# KiCad board SlowLampLEDPanel.kicad_pcb (continued)
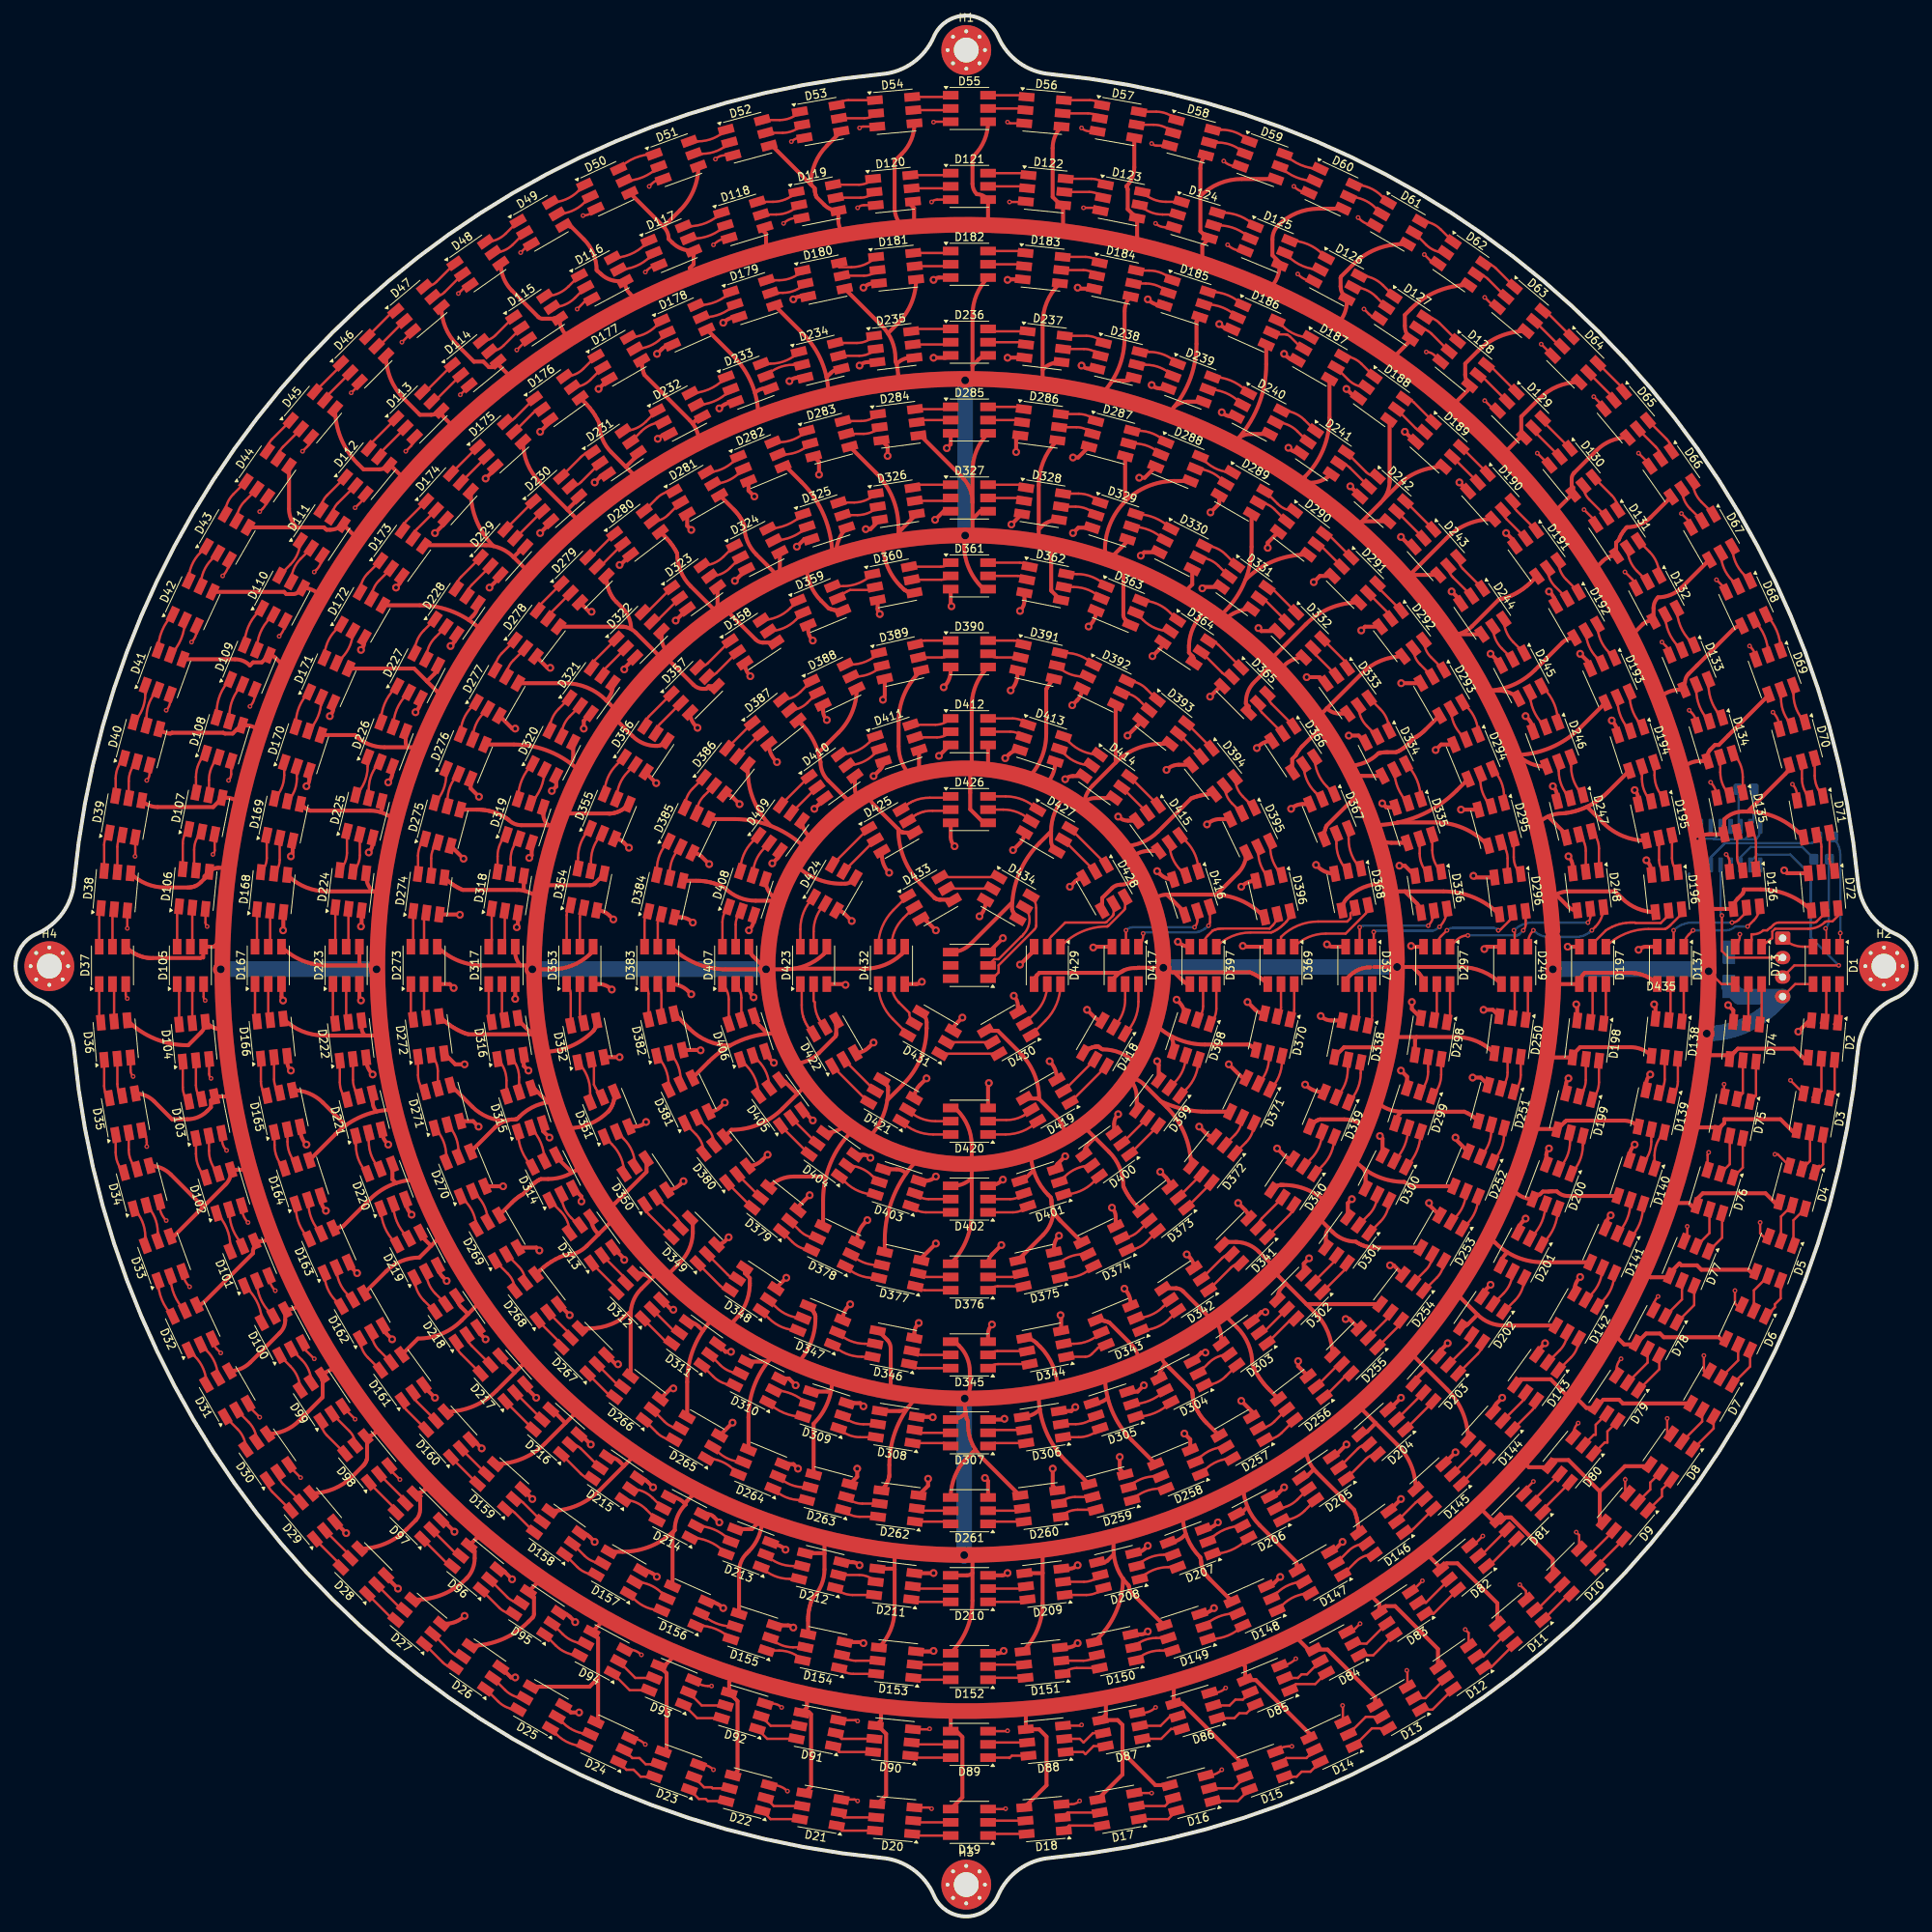
[diagram p0: board, top side]
## Routing (per net, layer and track width the routed paths; a pad name or vN(x,y) marks a point on that pad's centre or on a via; arc(x,y) is an arc through that point) (continued)
Net-(D299-DO): length 5
  Top w0.3: D299.6 arc(179.89,98.28) D300.1
Net-(D300-CO): length 4.8
  Top w0.3: D301.2 173.73,90.09 arc(174.53,91.29) D300.5
Net-(D300-DO): length 5.1
  Top w0.3: D301.1 175.18,89.17 arc(176.03,90.44) D300.6
Net-(D301-CO): length 4.7
  Top w0.3: D302.2 169.2,83.99 arc(169.47,84.4) D301.5
Net-(D301-DO): length 5
  Top w0.3: D302.1 170.56,82.94 arc(170.84,83.37) D301.6
Net-(D302-CO): length 5.7
  Top w0.3: 159.67,74.96 D303.2 arc(160.12,75.04) 160.52,75.31 D302.5 163.05,77.95 arc(162.65,77.84) 162.31,77.6
Net-(D302-DO): length 5
  Top w0.3: D303.1 163.44,76.37 arc(163.87,76.65) D302.6
Net-(D303-CO): length 4.8
  Top w0.3: D304.2 153.15,71.05 arc(154.35,71.85) D303.5
Net-(D303-DO): length 5.1
  Top w0.3: D303.6 155.35,69.34 arc(154.08,68.49) D304.1
Net-(D304-CO): length 4.8
  Top w0.3: D304.5 arc(145.58,66.22) D305.2
Net-(D304-DO): length 5
  Top w0.3: D304.6 arc(146.23,64.63) D305.1
Net-(D305-CO): length 4.8
  Top w0.3: D306.2 136.09,63.19 arc(137.5,63.47) D305.5
Net-(D305-DO): length 5.1
  Top w0.3: D306.1 136.46,61.51 arc(137.95,61.81) D305.6
Net-(D306-CO): length 4.7
  Top w0.3: D306.5 125.71,62.44 arc(125.24,62.35) D307.2
Net-(D306-DO): length 5
  Top w0.3: D306.6 125.76,60.76 arc(125.26,60.66) D307.1
Net-(D307-CO): length 4.7
  Top w0.3: D307.5 116.3,62.08 arc(115.82,62.17) D308.2
Net-(D307-DO): length 5
  Top w0.3: D308.1 119.11,60.76 arc(119.61,60.66) D307.6
Net-(D308-CO): length 4.8
  Top w0.3: D308.5 110.67,63.18 108.82,63.18 arc(107.39,63.46) D309.2
Net-(D308-DO): length 5.1
  Top w0.3: D308.6 108.41,61.51 arc(106.92,61.81) D309.1
Net-(D309-CO): length 4.8
  Top w0.3: D309.5 arc(99.65,67.07) D310.2
Net-(D309-DO): length 5
  Top w0.3: D309.6 arc(98.64,64.63) D310.1
Net-(D310-CO): length 4.8
  Top w0.3: D311.2 90.45,70.79 arc(91.65,69.99) D310.5
Net-(D310-DO): length 5.1
  Top w0.3: D311.1 89.53,69.34 arc(90.79,68.49) D310.6
Net-(D311-CO): length 4.7
  Top w0.3: D312.2 84.35,75.31 arc(84.75,75.04) D311.5
Net-(D311-DO): length 5
  Top w0.3: D312.1 83.3,73.96 arc(83.73,73.67) D311.6
Net-(D312-CO): length 4.7
  Top w0.3: D313.2 77.95,82.23 arc(78.22,81.82) D312.5
Net-(D312-DO): length 5
  Top w0.3: D313.1 76.73,81.08 arc(77.01,80.65) D312.6
Net-(D313-CO): length 4.9
  Top w0.3: D313.5 72.38,88.76 72.19,88.81 71.32,89.68 arc(70.39,91.06) D314.2
Net-(D313-DO): length 5.1
  Top w0.3: D314.1 69.97,90.51 arc(70.81,89.25) D313.6
Net-(D314-CO): length 4.8
  Top w0.3: D314.5 arc(67.43,99.29) D315.2
Net-(D314-DO): length 5
  Top w0.3: D314.6 arc(64.99,98.28) D315.1
Net-(D315-CO): length 4.8
  Top w0.3: D315.5 64.63,107.71 arc(64.35,109.13) D316.2
Net-(D315-DO): length 5.1
  Top w0.3: D315.6 63.01,107.3 arc(62.72,108.79) D316.1
Net-(D316-CO): length 4.7
  Top w0.3: D317.2 62.44,115.94 arc(62.53,115.47) D316.5
Net-(D316-DO): length 5
  Top w0.3: D317.1 60.74,115.73 arc(60.84,115.22) D316.6
Net-(D317-CO): length 4.7
  Top w0.3: D318.2 62.8,125.36 arc(62.71,124.88) D317.5
Net-(D317-DO): length 5
  Top w0.3: D318.1 61.12,125.41 arc(61.02,124.9) D317.6
Net-(D318-CO): length 4.8
  Top w0.3: D318.5 63.55,135.73 arc(63.83,137.14) D319.2
Net-(D318-DO): length 5.1
  Top w0.3: D318.6 61.87,136.1 arc(62.17,137.6) D319.1
Net-(D319-CO): length 4.8
  Top w0.3: D319.5 arc(67.43,144.87) D320.2
Net-(D319-DO): length 5
  Top w0.3: D319.6 arc(64.99,145.88) D320.1
Net-(D320-CO): length 4.8
  Top w0.3: D321.2 71.15,154.07 arc(70.35,152.87) D320.5
Net-(D320-DO): length 5.1
  Top w0.3: D321.1 69.69,154.99 arc(68.85,153.72) D320.6
Net-(D321-CO): length 4.7
  Top w0.3: D322.2 75.67,160.17 arc(75.4,159.76) D321.5
Net-(D321-DO): length 5
  Top w0.3: D322.1 74.32,161.21 arc(74.03,160.79) D321.6
Net-(D322-CO): length 4.7
  Top w0.3: D323.2 82.58,166.57 arc(82.18,166.3) D322.5
Net-(D322-DO): length 5
  Top w0.3: D323.1 81.43,167.79 arc(81.01,167.5) D322.6
Net-(D323-CO): length 4.8
  Top w0.3: D324.2 91.72,173.11 arc(90.52,172.31) D323.5
Net-(D323-DO): length 5.1
  Top w0.3: D324.1 90.87,174.55 arc(89.61,173.7) D323.6
Net-(D324-CO): length 4.8
  Top w0.3: D324.5 arc(99.65,177.09) D325.2
Net-(D324-DO): length 5
  Top w0.3: D324.6 arc(99.01,178.63) D325.1
Net-(D325-CO): length 4.8
  Top w0.3: D325.5 108.07,179.88 arc(109.48,180.17) D326.2
Net-(D325-DO): length 5.1
  Top w0.3: D325.6 107.65,181.5 arc(109.15,181.8) D326.1
Net-(D326-CO): length 4.7
  Top w0.3: D326.5 119.16,181.72 arc(119.63,181.81) D327.2
Net-(D326-DO): length 5
  Top w0.3: D327.1 116.08,183.78 arc(115.58,183.68) D326.6
Net-(D327-CO): length 4.7
  Top w0.3: D327.5 128.58,182.08 arc(129.05,181.98) D328.2
Net-(D327-DO): length 5
  Top w0.3: D327.6 128.79,183.78 arc(129.29,183.68) D328.1
Net-(D328-CO): length 4.8
  Top w0.3: D328.5 136.09,180.97 arc(137.5,180.68) D329.2
Net-(D328-DO): length 5.1
  Top w0.3: D328.6 136.46,182.64 arc(137.95,182.35) D329.1
Net-(D329-CO): length 4.8
  Top w0.3: D329.5 arc(145.58,177.94) D330.2
Net-(D329-DO): length 5
  Top w0.3: D329.6 arc(146.23,179.53) D330.1
Net-(D330-CO): length 4.8
  Top w0.3: D331.2 154.42,173.37 arc(153.23,174.17) D330.5
Net-(D330-DO): length 5.1
  Top w0.3: D331.1 155.35,174.82 arc(154.08,175.67) D330.6
Net-(D331-CO): length 4.7
  Top w0.3: D332.2 160.52,168.85 arc(160.12,169.12) D331.5
Net-(D331-DO): length 5
  Top w0.3: D332.1 161.57,170.2 arc(161.15,170.49) D331.6
Net-(D332-CO): length 4.7
  Top w0.3: D333.2 166.92,161.93 arc(166.65,162.33) D332.5
Net-(D332-DO): length 5
  Top w0.3: D332.6 170.56,161.21 arc(170.84,160.79) D333.1
Net-(D333-CO): length 4.8
  Top w0.3: D334.2 173.47,152.8 arc(172.67,153.99) D333.5
Net-(D333-DO): length 5.1
  Top w0.3: D333.6 175.18,154.99 arc(176.03,153.72) D334.1
Net-(D334-CO): length 4.8
  Top w0.3: D334.5 arc(177.45,144.87) D335.2
Net-(D334-DO): length 5
  Top w0.3: D334.6 arc(179.89,145.88) D335.1
Net-(D335-CO): length 4.8
  Top w0.3: D335.5 180.24,136.45 arc(180.52,135.03) D336.2
Net-(D335-DO): length 5.1
  Top w0.3: D335.6 181.86,136.86 arc(182.16,135.37) D336.1
Net-(D336-CO): length 13.5
  Top w0.3: D336.5 182.07,128.96 arc(181.88,128) v2(181.34,127.18) ; v2(172.54,126.98) 172.54,124.72 arc(172.51,124.59) D337.2
  Bottom w0.3: v2(181.34,127.18) 173.02,127.18 arc(172.76,127.13) v2(172.54,126.98)
Net-(D336-DO): length 13.2
  Top w0.3: v2(174.34,126.38) 174.34,124.96 arc(174.28,124.7) D337.1 ; D336.6 arc(183.5,128.1) v2(182.79,127.03)
  Bottom w0.3: v2(182.79,127.03) 182.69,126.94 182.57,126.84 arc(182.24,126.64) 181.87,126.51 181.86,126.52 174.68,126.52 174.66,126.51 arc(174.49,126.48) v2(174.34,126.38)
Net-(D337-CO): length 5.1
  Top w0.3: D337.5 172.44,115.87 arc(172.31,115.22) D338.2
Net-(D337-DO): length 5.5
  Top w0.3: D337.6 174.14,115.61 arc(174,114.93) D338.1
Net-(D338-CO): length 5.2
  Top w0.3: D338.5 171.01,108.68 arc(170.63,106.78) D339.2
Net-(D338-DO): length 5.5
  Top w0.3: D338.6 172.68,108.27 arc(172.27,106.23) D339.1
Net-(D339-CO): length 5.2
  Top w0.3: D340.2 166.25,97.21 arc(167.33,98.82) D339.5
Net-(D339-DO): length 5.5
  Top w0.3: D340.1 167.73,96.32 arc(168.88,98.05) D339.6
Net-(D340-CO): length 5.1
  Top w0.3: D340.5 159.98,89.61 arc(159.62,89.06) D341.2
Net-(D340-DO): length 5.5
  Top w0.3: D341.1 163.57,90.09 arc(163.95,90.67) D340.6
Net-(D341-CO): length 5.1
  Top w0.3: D342.2 154.91,84.53 arc(155.45,84.9) D341.5
Net-(D341-DO): length 5.5
  Top w0.3: D342.1 156.03,83.3 arc(156.61,83.69) D341.6
Net-(D342-CO): length 5.2
  Top w0.3: D342.5 147.31,78.26 arc(145.69,77.18) D343.2
Net-(D342-DO): length 5.5
  Top w0.3: D342.6 148.19,76.79 arc(146.47,75.64) D343.1
Net-(D343-CO): length 5.2
  Top w0.3: D344.2 135.83,73.51 arc(137.74,73.89) D343.5
Net-(D343-DO): length 5.7
  Top w0.3: D344.1 137.32,71.84 arc(137.76,71.93) 138.14,72.18 138.89,72.94 arc(139.4,73.28) D343.6
Net-(D344-CO): length 5.1
  Top w0.3: D344.5 126.03,72.57 arc(125.38,72.44) D345.2
Net-(D344-DO): length 5.5
  Top w0.3: D344.6 126.1,70.9 arc(125.42,70.77) D345.1
Net-(D345-CO): length 5.1
  Top w0.3: D345.5 116.23,72.08 arc(115.58,72.21) D346.2
Net-(D345-DO): length 5.5
  Top w0.3: D345.6 115.97,70.38 arc(115.29,70.52) D346.1
Net-(D346-CO): length 5.2
  Top w0.3: D346.5 109.04,73.51 arc(107.14,73.89) D347.2
Net-(D346-DO): length 5.5
  Top w0.3: D346.6 108.62,71.84 arc(106.59,72.25) D347.1
Net-(D347-CO): length 5.2
  Top w0.3: D348.2 97.56,78.26 arc(99.18,77.18) D347.5
Net-(D347-DO): length 5.5
  Top w0.3: D348.1 96.68,76.79 arc(98.4,75.64) D347.6
Net-(D348-CO): length 5.1
  Top w0.3: D349.2 91.47,82.33 arc(92.02,81.97) D348.5
Net-(D348-DO): length 5.5
  Top w0.3: D349.1 90.45,80.95 arc(91.03,80.56) D348.6
Net-(D349-CO): length 5.1
  Top w0.3: D350.2 84.89,89.61 arc(85.26,89.06) D349.5
Net-(D349-DO): length 5.5
  Top w0.3: D349.6 81.31,90.09 arc(80.92,90.67) D350.1
Net-(D350-CO): length 5.2
  Top w0.3: D351.2 78.07,99.82 arc(79.15,98.2) D350.5
Net-(D350-DO): length 5.5
  Top w0.3: D351.1 76.56,99.11 arc(77.71,97.38) D350.6
Net-(D351-CO): length 5.3
  Top w0.3: D351.5 75.17,105.32 74.89,105.65 74.64,106.01 74.43,106.38 74.24,106.78 74.24,109.06 arc(74.14,109.55) D352.2
Net-(D351-DO): length 5.5
  Top w0.3: D351.6 73.75,105.88 arc(73.35,107.92) D352.1
Net-(D352-CO): length 5.1
  Top w0.3: D353.2 72.44,115.87 arc(72.56,115.22) D352.5
Net-(D352-DO): length 5.5
  Top w0.3: D352.6 71.26,118.41 arc(71.13,119.1) D353.1
Net-(D353-CO): length 5.1
  Top w0.3: D353.5 72.44,128.29 arc(72.56,128.93) D354.2
Net-(D353-DO): length 5.5
  Top w0.3: D353.6 70.74,128.54 arc(70.87,129.23) D354.1
Net-(D354-CO): length 5.2
  Top w0.3: D354.5 73.87,135.47 arc(74.24,137.38) D355.2
Net-(D354-DO): length 5.5
  Top w0.3: D354.6 72.2,135.89 arc(72.6,137.92) D355.1
Net-(D355-CO): length 5.2
  Top w0.3: D356.2 78.62,146.95 arc(77.54,145.34) D355.5
Net-(D355-DO): length 5.5
  Top w0.3: D356.1 77.15,147.84 arc(75.99,146.11) D355.6
Net-(D356-CO): length 5.1
  Top w0.3: D357.2 82.69,153.04 arc(82.32,152.5) D356.5
Net-(D356-DO): length 5.5
  Top w0.3: D357.1 81.31,154.07 arc(80.92,153.48) D356.6
Net-(D357-CO): length 5.1
  Top w0.3: D358.2 89.97,159.62 arc(89.42,159.26) D357.5
Net-(D357-DO): length 5.5
  Top w0.3: D358.1 88.84,160.86 arc(88.26,160.47) D357.6
Net-(D358-CO): length 5.2
  Top w0.3: D359.2 100.18,166.44 arc(98.56,165.37) D358.5
Net-(D358-DO): length 5.5
  Top w0.3: D359.1 99.46,167.96 arc(97.74,166.8) D358.6
Net-(D359-CO): length 5.3
  Top w0.3: D359.5 105.68,169.34 106.01,169.62 106.36,169.87 106.74,170.09 107.13,170.27 109.42,170.27 arc(109.91,170.37) D360.2
Net-(D359-DO): length 5.5
  Top w0.3: D359.6 106.24,170.76 arc(108.27,171.17) D360.1
Net-(D360-CO): length 5.1
  Top w0.3: D360.5 118.85,171.59 arc(119.49,171.71) D361.2
Net-(D360-DO): length 5.5
  Top w0.3: D360.6 118.77,173.25 arc(119.46,173.39) D361.1
Net-(D361-CO): length 5.1
  Top w0.3: D361.5 128.65,172.08 arc(129.29,171.95) D362.2
Net-(D361-DO): length 5.5
  Top w0.3: D361.6 128.9,173.78 arc(129.59,173.64) D362.1
Net-(D362-CO): length 5.2
  Top w0.3: D362.5 135.83,170.65 arc(137.74,170.27) D363.2
Net-(D362-DO): length 5.5
  Top w0.3: D362.6 136.25,172.32 arc(138.28,171.91) D363.1
Net-(D363-CO): length 5.2
  Top w0.3: D363.5 144.7,166.44 arc(146.31,165.37) D364.2
Net-(D363-DO): length 5.5
  Top w0.3: D364.1 148.19,167.37 arc(146.47,168.52) D363.6
Net-(D364-CO): length 5.1
  Top w0.3: D364.5 154.91,159.62 arc(155.45,159.26) D365.2
Net-(D364-DO): length 5.5
  Top w0.3: D365.1 154.42,163.21 arc(153.84,163.6) D364.6
Net-(D365-CO): length 5.1
  Top w0.3: D366.2 159.98,154.55 arc(159.62,155.09) D365.5
Net-(D365-DO): length 5.5
  Top w0.3: D366.1 161.22,155.67 arc(160.83,156.25) D365.6
Net-(D366-CO): length 5.2
  Top w0.3: D367.2 166.8,144.34 arc(165.72,145.96) D366.5
Net-(D366-DO): length 5.5
  Top w0.3: D367.1 168.31,145.05 arc(167.16,146.77) D366.6
Net-(D367-CO): length 5.2
  Top w0.3: D367.5 169.55,137.71 arc(169.93,135.8) D368.2
Net-(D367-DO): length 5.5
  Top w0.3: D367.6 171.12,138.27 arc(171.52,136.24) D368.1
Net-(D368-CO): length 12.5
  Top w0.3: D368.5 171.94,129.33 171.36,128.76 171.36,128.13 170.94,127.71 167.2,127.71 arc(164.62,127.2) 162.44,125.74 D369.2
Net-(D368-DO): length 11.8
  Top w0.3: D368.6 173.61,129.68 173.6,129.53 173.54,129.25 173.44,128.98 173.3,128.72 170.73,126.16 168.19,126.16 arc(166,125.72) D369.1
Net-(D369-CO): length 4.3
  Top w0.3: D369.5 162.44,116.65 arc(162.31,116.04) D370.2
Net-(D369-DO): length 4.7
  Top w0.3: D369.6 164.14,116.37 arc(164,115.71) D370.1
Net-(D370-CO): length 4.3
  Top w0.3: D370.5 160.9,110.23 arc(160.54,108.42) D371.2
Net-(D370-DO): length 4.7
  Top w0.3: D370.6 162.56,109.79 arc(162.17,107.82) D371.1
Net-(D371-CO): length 4.3
  Top w0.3: D372.2 156.5,100.31 arc(157.19,101.34) D371.5
Net-(D371-DO): length 4.7
  Top w0.3: D372.1 157.95,99.37 arc(158.7,100.5) D371.6
Net-(D372-CO): length 4.2
  Top w0.3: D372.5 D373.2
Net-(D372-DO): length 4.6
  Top w0.3: D372.6 D373.1
Net-(D373-CO): length 4.3
  Top w0.3: D373.5 144.2,88.01 arc(143.17,87.32) D374.2
Net-(D373-DO): length 4.7
  Top w0.3: D373.6 145.15,86.57 arc(144.02,85.81) D374.1
Net-(D374-CO): length 4.3
  Top w0.3: D374.5 137.02,85 arc(135.21,84.64) D375.2
Net-(D374-DO): length 4.7
  Top w0.3: D375.1 134.73,81.96 arc(136.7,82.35) D374.6
Net-(D375-CO): length 4.3
  Top w0.3: D376.2 127.87,82.08 arc(128.48,82.2) D375.5
Net-(D375-DO): length 4.7
  Top w0.3: D375.6 126.07,80.89 arc(125.4,80.76) D376.1
Net-(D376-CO): length 4.3
  Top w0.3: D376.5 117.01,82.08 arc(116.4,82.2) D377.2
Net-(D376-DO): length 4.7
  Top w0.3: D376.6 116.73,80.38 arc(116.06,80.51) D377.1
Net-(D377-CO): length 4.3
  Top w0.3: D377.5 110.58,83.62 arc(108.78,83.98) D378.2
Net-(D377-DO): length 4.7
  Top w0.3: D377.6 110.15,81.96 arc(108.18,82.35) D378.1
Net-(D378-CO): length 4.3
  Top w0.3: D379.2 100.67,88.01 arc(101.7,87.32) D378.5
Net-(D378-DO): length 4.7
  Top w0.3: D379.1 99.73,86.57 arc(100.85,85.81) D378.6
Net-(D379-CO): length 4.2
  Top w0.3: D379.5 D380.2
Net-(D379-DO): length 4.6
  Top w0.3: D379.6 D380.1
Net-(D380-CO): length 4.3
  Top w0.3: D381.2 88.74,101.27 arc(89.43,100.23) D380.5
Net-(D380-DO): length 4.7
  Top w0.3: D381.1 87.32,100.41 arc(88.07,99.28) D380.6
Net-(D381-CO): length 4.3
  Top w0.3: D381.5 85.36,107.5 arc(85,109.31) D382.2
Net-(D381-DO): length 4.7
  Top w0.3: D381.6 83.83,106.82 arc(83.43,108.79) D382.1
Net-(D382-CO): length 4.3
  Top w0.3: D382.5 82.91,118.55 arc(82.78,119.16) D383.2
Net-(D382-DO): length 4.7
  Top w0.3: D382.6 81.25,118.44 arc(81.12,119.11) D383.1
Net-(D383-CO): length 4.3
  Top w0.3: D383.5 82.44,127.51 arc(82.56,128.12) D384.2
Net-(D383-DO): length 4.7
  Top w0.3: D383.6 80.74,127.78 arc(80.87,128.45) D384.1
Net-(D384-CO): length 4.3
  Top w0.3: D384.5 83.97,133.93 arc(84.33,135.74) D385.2
Net-(D384-DO): length 4.7
  Top w0.3: D384.6 82.32,134.37 arc(82.71,136.34) D385.1
Net-(D385-CO): length 4.3
  Top w0.3: D386.2 88.37,143.85 arc(87.68,142.81) D385.5
Net-(D385-DO): length 4.7
  Top w0.3: D386.1 86.92,144.79 arc(86.17,143.66) D385.6
Net-(D386-CO): length 4.2
  Top w0.3: D386.5 D387.2
Net-(D386-DO): length 4.6
  Top w0.3: D386.6 D387.1
Net-(D387-CO): length 4.3
  Top w0.3: D388.2 101.62,155.78 arc(100.59,155.09) D387.5
Net-(D387-DO): length 4.7
  Top w0.3: D388.1 100.77,157.19 arc(99.64,156.44) D387.6
Net-(D388-CO): length 4.3
  Top w0.3: D388.5 107.86,159.16 arc(109.66,159.52) D389.2
Net-(D388-DO): length 4.7
  Top w0.3: D388.6 107.18,160.69 arc(109.15,161.08) D389.1
Net-(D389-CO): length 4.3
  Top w0.3: D389.5 118.9,161.61 arc(119.52,161.73) D390.2
Net-(D389-DO): length 4.7
  Top w0.3: D390.1 116.73,163.78 arc(116.06,163.65) D389.6
Net-(D390-CO): length 4.3
  Top w0.3: D391.2 125.97,161.61 arc(125.36,161.73) D390.5
Net-(D390-DO): length 4.7
  Top w0.3: D390.6 128.14,163.78 arc(128.81,163.65) D391.1
Net-(D391-CO): length 4.3
  Top w0.3: D392.2 137.02,159.16 arc(135.21,159.52) D391.5
Net-(D391-DO): length 4.7
  Top w0.3: D391.6 134.73,162.2 arc(136.7,161.81) D392.1
Net-(D392-CO): length 4.3
  Top w0.3: D393.2 144.2,156.15 arc(143.17,156.83) D392.5
Net-(D392-DO): length 4.7
  Top w0.3: D393.1 145.15,157.59 arc(144.02,158.34) D392.6
Net-(D393-CO): length 4.2
  Top w0.3: D393.5 D394.2
Net-(D393-DO): length 4.6
  Top w0.3: D393.6 D394.1
Net-(D394-CO): length 4.3
  Top w0.3: D395.2 156.14,142.89 arc(155.45,143.93) D394.5
Net-(D394-DO): length 4.7
  Top w0.3: D395.1 157.55,143.75 arc(156.8,144.87) D394.6
Net-(D395-CO): length 4.3
  Top w0.3: D395.5 159.52,136.66 arc(159.88,134.85) D396.2
Net-(D395-DO): length 4.7
  Top w0.3: D395.6 161.05,137.34 arc(161.44,135.37) D396.1
Net-(D396-CO): length 12
  Top w0.3: D396.5 161.97,128.51 arc(161.95,128.38) 161.93,128.25 arc(161.73,127.7) 161.38,127.23 160.97,126.81 155.03,126.81 154.86,126.81 154.66,126.8 154.49,126.78 154.28,126.74 154.13,126.71 154.01,126.68 arc(153.97,126.66) 153.93,126.65 arc(153.8,126.6) 153.68,126.55 ; D397.2 arc(152.59,125.24) 153.02,125.89 153.69,126.55 arc(153.71,126.57) 153.74,126.57
Net-(D396-DO): length 11.4
  Top w0.3: D396.6 163.62,128.89 163.61,128.74 163.55,128.46 163.45,128.19 163.31,127.94 163.14,127.71 163.08,127.64 162.87,127.44 162.7,127.27 162.54,127.13 162.35,126.97 162.18,126.85 161.98,126.71 161.8,126.6 161.58,126.48 161.4,126.4 161.27,126.34 161.17,126.3 158.54,126.3 arc(156.16,125.83) D397.1
Net-(D397-CO): length 4.8
  Top w0.3: D397.5 152.44,116.85 arc(152.25,115.9) D398.2
Net-(D397-DO): length 5.3
  Top w0.3: D397.6 154.14,116.52 arc(153.93,115.46) D398.1
Net-(D398-CO): length 4.8
  Top w0.3: D399.2 148.79,107.06 arc(149.85,108.65) D398.5
Net-(D398-DO): length 5.4
  Top w0.3: D399.1 150.24,106.14 arc(151.43,107.91) D398.6
Net-(D399-CO): length 4.6
  Top w0.3: D399.5 D400.2
Net-(D399-DO): length 5.2
  Top w0.3: D399.6 D400.1
Net-(D400-CO): length 4.8
  Top w0.3: D401.2 134.66,94.96 arc(136.25,96.03) D400.5
Net-(D400-DO): length 5.4
  Top w0.3: D400.6 138.38,94.27 arc(136.61,93.09) D401.1
Net-(D401-CO): length 4.8
  Top w0.3: D402.2 127.67,92.08 arc(128.62,92.27) D401.5
Net-(D401-DO): length 5.3
  Top w0.3: D402.1 127.99,90.38 arc(129.05,90.59) D401.6
Net-(D402-CO): length 4.8
  Top w0.3: D402.5 117.2,92.08 arc(116.25,92.27) D403.2
Net-(D402-DO): length 5.3
  Top w0.3: D402.6 116.88,90.38 arc(115.82,90.59) D403.1
Net-(D403-CO): length 4.8
  Top w0.3: D403.5 110.75,94.29 109.98,95.06 arc(108.5,96.05) D404.2
Net-(D403-DO): length 5.4
  Top w0.3: D404.1 106.5,94.27 arc(108.27,93.09) D403.6
Net-(D404-CO): length 4.6
  Top w0.3: D404.5 D405.2
Net-(D404-DO): length 5.2
  Top w0.3: D404.6 D405.1
Net-(D405-CO): length 4.8
  Top w0.3: D406.2 95.32,109.85 arc(96.38,108.26) D405.5
Net-(D405-DO): length 5.4
  Top w0.3: D406.1 93.78,109.25 arc(94.96,107.48) D405.6
Net-(D406-CO): length 4.8
  Top w0.3: D406.5 93.16,117.93 arc(92.97,118.87) D407.2
Net-(D406-DO): length 5.3
  Top w0.3: D406.6 91.55,117.72 arc(91.34,118.78) D407.1
Net-(D407-CO): length 4.8
  Top w0.3: D407.5 92.44,127.31 arc(92.63,128.26) D408.2
Net-(D407-DO): length 5.3
  Top w0.3: D407.6 90.74,127.64 arc(90.95,128.7) D408.1
Net-(D408-CO): length 4.8
  Top w0.3: D409.2 96.08,137.1 arc(95.02,135.51) D408.5
Net-(D408-DO): length 5.4
  Top w0.3: D409.1 94.63,138.02 arc(93.45,136.25) D408.6
Net-(D409-CO): length 4.6
  Top w0.3: D409.5 D410.2
Net-(D409-DO): length 5.2
  Top w0.3: D409.6 D410.1
Net-(D410-CO): length 4.8
  Top w0.3: D411.2 110.21,149.2 arc(108.62,148.13) D410.5
Net-(D410-DO): length 5.4
  Top w0.3: D411.1 109.61,150.74 arc(107.84,149.55) D410.6
Net-(D411-CO): length 4.8
  Top w0.3: D411.5 118.28,151.35 arc(119.23,151.54) D412.2
Net-(D411-DO): length 5.3
  Top w0.3: D411.6 118.08,152.97 arc(119.14,153.18) D412.1
Net-(D412-CO): length 4.8
  Top w0.3: D412.5 127.67,152.08 arc(128.62,151.89) D413.2
Net-(D412-DO): length 5.3
  Top w0.3: D412.6 127.99,153.78 arc(129.05,153.57) D413.1
Net-(D413-CO): length 4.8
  Top w0.3: D413.5 134.66,149.2 arc(136.25,148.13) D414.2
Net-(D413-DO): length 5.4
  Top w0.3: D413.6 135.27,150.74 arc(137.04,149.55) D414.1
Net-(D414-CO): length 4.6
  Top w0.3: D414.5 D415.2
Net-(D414-DO): length 5.2
  Top w0.3: D414.6 D415.1
Net-(D415-CO): length 4.8
  Top w0.3: D416.2 149.55,134.31 arc(148.49,135.9) D415.5
Net-(D415-DO): length 5.4
  Top w0.3: D415.6 150.24,138.02 arc(151.43,136.25) D416.1
Net-(D416-CO): length 13.2
  Top w0.3: v2(142.54,126.58) 142.54,124.72 arc(142.51,124.59) D417.2 ; D416.5 151.71,127.88 arc(151.61,127.39) v2(151.34,126.98)
  Bottom w0.3: v2(151.34,126.98) 143.5,126.98 arc(142.98,126.88) v2(142.54,126.58)
Net-(D416-DO): length 13
  Top w0.3: D416.6 153.33,127.64 arc(153.28,127.39) v2(153.14,127.18) ; v2(144.74,126.18) 144.74,125.93 arc(144.58,125.14) D417.1
  Bottom w0.3: v2(153.14,127.18) 153.02,127.06 152.89,126.95 152.75,126.84 152.61,126.75 152.45,126.65 152.31,126.58 152.14,126.5 151.99,126.44 151.8,126.38 151.66,126.35 151.55,126.33 145.09,126.33 arc(144.9,126.29) v2(144.74,126.18)
Net-(D417-CO): length 5.9
  Top w0.3: D417.5 142.44,117.73 arc(142.05,115.8) D418.2
Net-(D417-DO): length 6.8
  Top w0.3: D417.6 144.14,117.43 arc(143.69,115.2) D418.1
Net-(D418-CO): length 5.7
  Top w0.3: D418.5 D419.2
Net-(D418-DO): length 6.6
  Top w0.3: D418.6 D419.1
Net-(D419-CO): length 6.1
  Top w0.3: D419.5 130.2,103.4 130.04,103.27 129.87,103.13 129.7,103 129.51,102.88 129.34,102.77 arc(129.24,102.72) 129.14,102.67 arc(128.17,102.33) 127.16,102.23 125.21,102.23 arc(125.01,102.19) D420.2 124.99,102.23
Net-(D419-DO): length 6.8
  Top w0.3: D420.1 127.09,100.38 arc(129.32,100.82) D419.6
Net-(D420-CO): length 5.9
  Top w0.3: D420.5 118.09,102.08 arc(116.15,102.46) D421.2
Net-(D420-DO): length 6.8
  Top w0.3: D420.6 117.79,100.38 arc(115.56,100.82) D421.1
Net-(D421-CO): length 5.7
  Top w0.3: D421.5 D422.2
Net-(D421-DO): length 6.6
  Top w0.3: D421.6 D422.1
Net-(D422-CO): length 6.2
  Top w0.3: 102.59,119.52 D423.2 102.44,117.51 102.59,117.36 arc(102.69,116.34) 103.02,115.38 arc(103.08,115.28) 103.13,115.18 103.24,115 103.36,114.81 103.48,114.65 103.62,114.47 103.76,114.32 D422.5
Net-(D422-DO): length 7.1
  Top w0.3: D422.6 102.28,113.47 102.12,113.65 101.98,113.83 101.83,114.02 101.71,114.21 101.6,114.39 101.48,114.59 101.39,114.77 101.29,114.98 101.22,115.17 101.14,115.39 arc(101.11,115.49) 101.08,115.59 arc(100.94,116.29) 100.91,117 100.91,119.25 arc(100.87,119.48) D423.1 100.91,119.5
Net-(D423-CO): length 5.9
  Top w0.3: D423.5 102.44,126.43 arc(102.82,128.36) D424.2
Net-(D423-DO): length 6.8
  Top w0.3: D423.6 100.74,126.73 arc(101.18,128.96) D424.1
Net-(D424-CO): length 5.7
  Top w0.3: D424.5 D425.2
Net-(D424-DO): length 6.6
  Top w0.3: D424.6 D425.1
Net-(D425-CO): length 6.2
  Top w0.3: D425.5 114.67,140.76 114.83,140.89 115,141.03 115.17,141.16 115.36,141.28 115.54,141.39 115.74,141.49 115.92,141.58 116.13,141.67 116.32,141.74 116.55,141.8 arc(116.64,141.83) 116.74,141.85 arc(117.22,141.92) 117.71,141.93 119.66,141.93 arc(119.87,141.97) D426.2 119.88,141.93
Net-(D425-DO): length 7.1
  Top w0.3: 119.85,143.6 D426.1 arc(119.84,143.65) 119.61,143.6 117.36,143.6 arc(116.22,143.49) 115.13,143.13 arc(115.04,143.08) 114.94,143.03 114.75,142.92 114.57,142.81 114.38,142.68 114.18,142.54 114.01,142.39 113.83,142.23 D425.6
Net-(D426-CO): length 5.9
  Top w0.3: D426.5 126.79,142.08 arc(128.72,141.69) D427.2
Net-(D426-DO): length 6.8
  Top w0.3: D426.6 127.09,143.78 arc(129.32,143.34) D427.1
Net-(D427-CO): length 5.7
  Top w0.3: D427.5 D428.2
Net-(D427-DO): length 6.6
  Top w0.3: D427.6 D428.1
Net-(D428-CO): length 12
  Top w0.3: D428.5 140.96,128.76 140.96,128.7 140.92,128.57 140.86,128.46 140.81,128.41 140.06,127.66 140.02,127.62 arc(139.94,127.59) 139.86,127.58 134.74,127.58 133,125.85 arc(132.58,125.22) D429.2
Net-(D428-DO): length 11.4
  Top w0.3: D429.1 134.36,124.7 arc(136.99,126.46) 140.1,127.08 140.12,127.08 140.15,127.09 140.18,127.11 140.22,127.13 140.28,127.17 140.34,127.22 142.32,129.2 142.39,129.33 142.43,129.46 142.43,129.53 D428.6
Net-(D429-CO): length 6
  Top w0.3: D430.2 130.92,116.03 arc(132.04,117.7) D429.5
Net-(D429-DO): length 7.8
  Top w0.3: D430.1 132.18,114.97 arc(133.63,117.13) D429.6
Net-(D430-CO): length 5.8
  Top w0.3: D430.5 D431.2
Net-(D430-DO): length 7.5
  Top w0.3: D430.6 D431.1
Net-(D431-CO): length 6.2
  Top w0.3: 113.34,117.38 113.34,117.38 114.72,116 arc(114.85,115.32) 115.24,114.74 D431.5 ; 113.43,117.29 arc(112.69,118.39) D432.2
Net-(D431-DO): length 7.8
  Top w0.3: D431.6 114.51,113.28 112.59,115.19 arc(111.22,117.25) D432.1
Net-(D432-CO): length 6
  Top w0.3: D433.2 113.95,128.13 arc(112.83,126.46) D432.5
Net-(D432-DO): length 7.8
  Top w0.3: D433.1 112.69,129.19 arc(111.24,127.03) D432.6
Net-(D433-CO): length 5.8
  Top w0.3: D433.5 D434.2
Net-(D433-DO): length 7.5
  Top w0.3: D433.6 D434.1
Net-(D434-CO): length 9.9
  Top w0.3: D434.5 129.62,129.44 arc(129.71,129.33) 129.79,129.21 arc(130.06,128.63) 130.16,127.99 ; D435.2 125.64,122.88 126.19,122.88 129.05,125.75 arc(129.09,125.77) 129.14,125.78 129.32,125.96 arc(129.34,126) 129.35,126.04 arc(129.92,126.86) 130.16,127.83
Net-(D434-DO): length 13.6
  Top w0.3: D434.6 130.47,130.91 arc(130.87,130.23) 131.01,129.46 131.01,127.22 131.01,127.12 arc(130.94,126.89) 130.8,126.7 126.19,122.1 126.19,121.18 125.78,120.77 arc(125.35,120.48) D435.1
Net-(D436-I/O1): length 20.5
  Top w0.3: J2.2 219.88,123.08 219.04,123.93 v2(219.04,128.48) ; 226.81,123.13 227.01,122.93
  Bottom w0.2: 227.49,122.43 J2.2
  Bottom w0.3: U1.5 218.88,128.64 v2(219.04,128.48)
Net-(D436-I/O2): length 30.8
  Top w0.3: v2(234.04,122.08) 228.34,122.08 J2.3 ; 226.81,120.63 227.01,120.83
  Bottom w0.3: U1.2 222.69,135.4 223.6,136.31 227.81,136.31 230.44,133.68 230.44,125.68 v2(234.04,122.08)
Net-(R5-Pad1): length 11.7
  Bottom w0.3: 230.92,135.71 229.35,137.28 222.74,137.28 221.42,135.95 U1.3
Net-(R6-Pad1): length 15.9
  Bottom w0.3: 231.42,138.58 230.62,137.78 219.43,137.78 217.61,135.95 U1.6

## Copper pours and planes (outline as drawn; the poured copper is in the pictures)
GND on Bottom: 235.96,122.95 235.92,125.08 235.84,127.21 235.72,129.34 235.57,131.46 235.37,133.59 235.13,135.71 234.85,137.82 234.53,139.93 234.17,142.03 233.78,144.13 233.34,146.21 232.87,148.29 232.35,150.36 231.8,152.42 231.21,154.47 230.58,156.51 229.92,158.53 229.21,160.55 228.47,162.55 227.69,164.53 226.88,166.5 226.02,168.46 225.13,170.39 224.21,172.31 223.25,174.22 222.25,176.1 221.22,177.97 220.15,179.82 219.05,181.64 217.92,183.45 216.75,185.23 215.55,186.99 214.32,188.73 213.05,190.45 211.75,192.14 210.42,193.81 209.06,195.45 207.67,197.07 206.25,198.66 204.8,200.22 203.32,201.75 201.81,203.26 200.28,204.74 198.71,206.19 197.12,207.61 195.51,209 193.86,210.36 192.2,211.69 190.51,212.99 188.79,214.26 187.05,215.49 185.29,216.69 183.51,217.86 181.7,219 179.87,220.1 178.03,221.16 176.16,222.19 174.28,223.19 172.37,224.15 170.45,225.08 168.51,225.97 166.56,226.82 164.59,227.63 162.6,228.41 160.6,229.16 158.59,229.86 156.57,230.53 154.53,231.15 152.48,231.74 150.42,232.3 148.35,232.81 146.27,233.28 144.18,233.72 142.09,234.12 139.99,234.47 137.88,234.79 135.76,235.07 133.64,235.31 131.52,235.51 129.39,235.67 127.27,235.79 125.13,235.87 123,235.91 120.87,235.91 118.74,235.87 116.61,235.79 114.48,235.67 112.35,235.51 110.23,235.31 108.11,235.07 106,234.79 103.89,234.47 101.79,234.12 99.69,233.72 97.6,233.28 95.52,232.81 93.45,232.3 91.39,231.74 89.35,231.15 87.31,230.53 85.28,229.86 83.27,229.16 81.27,228.41 79.29,227.63 77.32,226.82 75.36,225.97 73.42,225.08 71.5,224.15 69.6,223.19 67.71,222.19 65.85,221.16 64,220.1 62.17,219 60.37,217.86 58.58,216.69 56.82,215.49 55.08,214.26 53.37,212.99 51.68,211.69 50.01,210.36 48.37,209 46.75,207.61 45.16,206.19 43.6,204.74 42.06,203.26 40.55,201.75 39.07,200.22 37.62,198.66 36.2,197.07 34.81,195.45 33.45,193.81 32.12,192.14 30.82,190.45 29.56,188.73 28.32,186.99 27.12,185.23 25.95,183.45 24.82,181.64 23.72,179.82 22.65,177.97 21.62,176.1 20.63,174.22 19.66,172.31 18.74,170.39 17.85,168.46 17,166.5 16.18,164.53 15.4,162.55 14.66,160.55 13.96,158.53 13.29,156.51 12.66,154.47 12.07,152.42 11.52,150.36 11.01,148.29 10.53,146.21 10.1,144.13 9.7,142.03 9.34,139.93 9.02,137.82 8.75,135.71 8.51,133.59 8.31,131.46 8.15,129.34 8.03,127.21 7.95,125.08 7.91,122.95 7.91,120.81 7.95,118.68 8.03,116.55 8.15,114.42 8.31,112.29 8.51,110.17 8.75,108.05 9.02,105.94 9.34,103.83 9.7,101.73 10.1,99.63 10.53,97.55 11.01,95.47 11.52,93.4 12.07,91.34 12.66,89.29 13.29,87.25 13.96,85.23 14.66,83.21 15.4,81.21 16.18,79.23 17,77.26 17.85,75.3 18.74,73.37 19.66,71.44 20.63,69.54 21.62,67.66 22.65,65.79 23.72,63.94 24.82,62.12 25.95,60.31 27.12,58.53 28.32,56.76 29.56,55.03 30.82,53.31 32.12,51.62 33.45,49.95 34.81,48.31 36.2,46.69 37.62,45.1 39.07,43.54 40.55,42 42.06,40.5 43.6,39.02 45.16,37.57 46.75,36.15 48.37,34.75 50.01,33.39 51.68,32.06 53.37,30.77 55.08,29.5 56.82,28.27 58.58,27.07 60.37,25.9 62.17,24.76 64,23.66 65.85,22.6 67.71,21.56 69.6,20.57 71.5,19.61 73.42,18.68 75.36,17.79 77.32,16.94 79.29,16.12 81.27,15.35 83.27,14.6 85.28,13.9 87.31,13.23 89.35,12.6 91.39,12.01 93.45,11.46 95.52,10.95 97.6,10.47 99.69,10.04 101.79,9.64 103.89,9.29 106,8.97 108.11,8.69 110.23,8.45 112.35,8.25 114.48,8.09 116.61,7.97 118.74,7.89 120.87,7.85 123,7.85 125.13,7.89 127.27,7.97 129.39,8.09 131.52,8.25 133.64,8.45 135.76,8.69 137.88,8.97 139.99,9.29 142.09,9.64 144.18,10.04 146.27,10.47 148.35,10.95 150.42,11.46 152.48,12.01 154.53,12.6 156.57,13.23 158.59,13.9 160.6,14.6 162.6,15.35 164.59,16.12 166.56,16.94 168.51,17.79 170.45,18.68 172.37,19.61 174.28,20.57 176.16,21.56 178.03,22.6 179.87,23.66 181.7,24.76 183.51,25.9 185.29,27.07 187.05,28.27 188.79,29.5 190.51,30.77 192.2,32.06 193.86,33.39 195.51,34.75 197.12,36.15 198.71,37.57 200.28,39.02 201.81,40.5 203.32,42 204.8,43.54 206.25,45.1 207.67,46.69 209.06,48.31 210.42,49.95 211.75,51.62 213.05,53.31 214.32,55.03 215.55,56.76 216.75,58.53 217.92,60.31 219.05,62.12 220.15,63.94 221.22,65.79 222.25,67.66 223.25,69.54 224.21,71.44 225.13,73.37 226.02,75.3 226.88,77.26 227.69,79.23 228.47,81.21 229.21,83.21 229.92,85.23 230.58,87.25 231.21,89.29 231.8,91.34 232.35,93.4 232.87,95.47 233.34,97.55 233.78,99.63 234.17,101.73 234.53,103.83 234.85,105.94 235.13,108.05 235.37,110.17 235.57,112.29 235.72,114.42 235.84,116.55 235.92,118.68 235.96,120.81

## Text on the board
B.Silkscreen: CI | GND | DI | 5V | HD108 435 LED PANEL v0.1 | by Will, Yumeng, Min, / Görkem & Arnab | Rated for 7A MAX | SLOW LAMP
